# Allegro board S071AA-0413-20260427.brd (continued)
## Routing (per net, layer and track width the routed paths; a pad name or vN(x,y) marks a point on that pad's centre or on a via; arc(x,y) is an arc through that point) (continued)
; DPS3.A15 125.8,13.97 ; D431.B17 16.58,381 ; D431.B17 15.51,382.07 ; D431.B17 14.44,381 ; D431.B17 15.51,379.93 ; 266.97,52.27 D107.A13 ; D107.A13 268.04,53.34 ; D107.A13 265.9,53.34 ; D107.A13 266.97,54.41 ; 114.57,92.91 D121.A11 ; D121.A11 115.64,93.98 ; D121.A11 114.57,95.05 ; D121.A11 113.5,93.98 ; 246.65,329.13 D109.B13 ; D109.B13 247.72,330.2 ; D109.B13 246.65,331.27 ; D109.B13 245.58,330.2 ; 128.74,370.84 D227.B1 ; D227.B1 129.81,371.91 ; D227.B1 130.88,370.84 ; D227.B1 129.81,369.77 ; 52.24,149.1 KS3.6 ; KS3.6 53.36,150.22 ; KS3.6 53.36,147.98 ; KS3.6 54.47,149.1 ; 182.08,78.74 D102.B9 ; D102.B9 184.22,78.74 ; D102.B9 183.15,77.67 ; D102.B9 183.15,79.81 ; D107.B10 260.42,60.96 ; D107.B10 258.28,60.96 ; D107.B10 259.35,62.03 ; D107.B10 259.35,59.89 ; 101.87,397.71 D428.B12 ; D428.B12 101.87,399.85 ; D428.B12 100.8,398.78 ; D428.B12 102.94,398.78 ; D105.A1 236.49,95.05 ; D105.A1 236.49,92.91 ; D105.A1 237.56,93.98 ; D105.A1 235.42,93.98 ; 263.36,35.56 D108.A12 ; D108.A12 264.43,34.49 ; D108.A12 264.43,36.63 ; D108.A12 265.5,35.56 ; 18.05,392.63 D232.A16 ; D232.A16 18.05,394.77 ; D232.A16 19.12,393.7 ; D232.A16 16.98,393.7 ; 166.84,330.2 D113.B15 ; D113.B15 168.98,330.2 ; D113.B15 167.91,331.27 ; D113.B15 167.91,329.13 ; D117.B7 31.82,99.06 ; D117.B7 29.68,99.06 ; D117.B7 30.75,100.13 ; D117.B7 30.75,97.99 ; UHC230.G4_1 19.99,355.29 ; UHC230.G4_1 19.18,354.48 ; UHC230.G4_1 19.18,356.1 ; UHC230.G4_1 18.37,355.29 ; D432.A15 21.66,406.4 ; D432.A15 20.59,407.47 ; D432.A15 20.59,405.33 ; D432.A15 19.52,406.4 ; 258.28,81.28 D106.B10 ; D106.B10 260.42,81.28 ; D106.B10 259.35,82.35 ; D106.B10 259.35,80.21 ; 109.49,374.85 D227.A9 ; D227.A9 108.42,375.92 ; D227.A9 109.49,376.99 ; D227.A9 110.56,375.92 ; 179.54,81.28 D102.B8 ; D102.B8 180.61,80.21 ; D102.B8 180.61,82.35 ; D102.B8 181.68,81.28 ; D117.B5 26.74,99.06 ; D117.B5 25.67,97.99 ; D117.B5 24.6,99.06 ; D117.B5 25.67,100.13 ; D116.B16 165.37,389.69 ; D116.B16 166.44,388.62 ; D116.B16 164.3,388.62 ; D116.B16 165.37,387.55 ; 22.06,373.38 D231.A14 ; D231.A14 23.13,374.45 ; D231.A14 24.2,373.38 ; D231.A14 23.13,372.31 ; 90.64,332.74 CSDPS225.B16 ; CSDPS225.B16 91.71,333.81 ; CSDPS225.B16 92.78,332.74 ; CSDPS225.B16 91.71,331.67 ; D110.B7 261.89,351.59 ; D110.B7 261.89,349.45 ; D110.B7 260.82,350.52 ; D110.B7 262.96,350.52 ; 103.34,381 D427.B11 ; D427.B11 104.41,379.93 ; D427.B11 104.41,382.07 ; D427.B11 105.48,381 ; 237.96,35.56 D108.A2 ; D108.A2 239.03,36.63 ; D108.A2 239.03,34.49 ; D108.A2 240.1,35.56 ; 29.68,73.66 D118.A7 ; D118.A7 30.75,72.59 ; D118.A7 30.75,74.73 ; D118.A7 31.82,73.66 ; 269.51,346.91 D110.B4 ; D110.B4 268.44,347.98 ; D110.B4 269.51,349.05 ; D110.B4 270.58,347.98 ; D121.A6 101.87,97.59 ; D121.A6 101.87,95.45 ; D121.A6 100.8,96.52 ; D121.A6 102.94,96.52 ; CSDPS429.B14 24.2,342.9 ; CSDPS429.B14 23.13,343.97 ; CSDPS429.B14 23.13,341.83 ; CSDPS429.B14 22.06,342.9 ; D116.B10 181.68,388.62 ; D116.B10 179.54,388.62 ; D116.B10 180.61,387.55 ; D116.B10 180.61,389.69 ; CSDPS426.C7 114.57,361.75 ; CSDPS426.C7 115.64,360.68 ; CSDPS426.C7 113.5,360.68 ; CSDPS426.C7 114.57,359.61 ; D101.A2 166.44,96.52 ; D101.A2 165.37,95.45 ; D101.A2 165.37,97.59 ; D101.A2 164.3,96.52 ; UHC230.G4_11 19.99,348.29 ; UHC230.G4_11 19.18,349.1 ; UHC230.G4_11 18.37,348.29 ; UHC230.G4_11 19.18,347.48 ; D428.B7 114.57,402.39 ; D428.B7 115.64,401.32 ; D428.B7 114.57,400.25 ; D428.B7 113.5,401.32 ; 179.54,368.3 D115.B10 ; D115.B10 180.61,369.37 ; D115.B10 181.68,368.3 ; D115.B10 180.61,367.23 ; D227.B17 89.17,371.91 ; D227.B17 89.17,369.77 ; D227.B17 88.1,370.84 ; D227.B17 90.24,370.84 ; 188.23,77.67 D102.B11 ; D102.B11 187.16,78.74 ; D102.B11 188.23,79.81 ; D102.B11 189.3,78.74 ; D107.B15 273.12,58.42 ; D107.B15 270.98,58.42 ; D107.B15 272.05,57.35 ; D107.B15 272.05,59.49 ; 250.66,330.2 D109.B11 ; D109.B11 251.73,329.13 ; D109.B11 252.8,330.2 ; D109.B11 251.73,331.27 ; 193.31,92.91 D101.A13 ; D101.A13 192.24,93.98 ; D101.A13 193.31,95.05 ; D101.A13 194.38,93.98 ; 266.97,354.53 D110.A5 ; D110.A5 266.97,356.67 ; D110.A5 265.9,355.6 ; D110.A5 268.04,355.6 ; 28.21,34.49 D120.A6 ; D120.A6 28.21,36.63 ; D120.A6 29.28,35.56 ; D120.A6 27.14,35.56 ; D227.A15 95.32,375.92 ; D227.A15 93.18,375.92 ; D227.A15 94.25,374.85 ; D227.A15 94.25,376.99 ; 197.32,93.98 D101.A15 ; D101.A15 199.46,93.98 ; D101.A15 198.39,95.05 ; D101.A15 198.39,92.91 ; 124.73,97.99 D121.B15 ; D121.B15 123.66,99.06 ; D121.B15 125.8,99.06 ; D121.B15 124.73,100.13 ; D228.B10 106.95,389.69 ; D228.B10 106.95,387.55 ; D228.B10 105.88,388.62 ; D228.B10 108.02,388.62 ; D110.B16 239.03,349.05 ; D110.B16 240.1,347.98 ; D110.B16 237.96,347.98 ; D110.B16 239.03,346.91 ; DPS1.B11 261.89,17.58 ; DPS1.B11 260.82,16.51 ; DPS1.B11 261.89,15.44 ; DPS1.B11 262.96,16.51 ; D227.A7 114.57,376.99 ; D227.A7 115.64,375.92 ; D227.A7 113.5,375.92 ; D227.A7 114.57,374.85 ; 202.4,391.16 D116.B1 ; D116.B1 204.54,391.16 ; D116.B1 203.47,392.23 ; D116.B1 203.47,390.09 ; UHC430.G1_6 19.18,362.76 ; UHC430.G1_6 18.37,361.95 ; UHC430.G1_6 19.18,361.14 ; UHC430.G1_6 19.99,361.95 ; 88.1,93.98 D121.A1 ; D121.A1 89.17,92.91 ; D121.A1 89.17,95.05 ; D121.A1 90.24,93.98 ; D107.B16 274.59,62.03 ; D107.B16 273.52,60.96 ; D107.B16 275.66,60.96 ; D107.B16 274.59,59.89 ; D107.A1 236.49,54.41 ; D107.A1 235.42,53.34 ; D107.A1 237.56,53.34 ; D107.A1 236.49,52.27 ; 48.53,382.47 D431.A4 ; D431.A4 48.53,384.61 ; D431.A4 47.46,383.54 ; D431.A4 49.6,383.54 ; 235.42,78.74 D106.B1 ; D106.B1 236.49,77.67 ; D106.B1 237.56,78.74 ; D106.B1 236.49,79.81 ; 14.92,363.7 UHC430.G1_5 ; UHC430.G1_5 15.73,362.89 ; UHC430.G1_5 16.54,363.7 ; UHC430.G1_5 15.73,364.51 ; 254.27,346.91 D110.B10 ; D110.B10 255.34,347.98 ; D110.B10 254.27,349.05 ; D110.B10 253.2,347.98 ; D102.B12 191.84,81.28 ; D102.B12 189.7,81.28 ; D102.B12 190.77,82.35 ; D102.B12 190.77,80.21 ; 119.65,72.59 D122.A13 ; D122.A13 120.72,73.66 ; D122.A13 119.65,74.73 ; D122.A13 118.58,73.66 ; 104.41,52.27 D123.A7 ; D123.A7 105.48,53.34 ; D123.A7 103.34,53.34 ; D123.A7 104.41,54.41 ; 35.83,369.77 D231.B9 ; D231.B9 34.76,370.84 ; D231.B9 36.9,370.84 ; D231.B9 35.83,371.91 ; 273.52,393.7 D112.A2 ; D112.A2 274.59,392.63 ; D112.A2 275.66,393.7 ; D112.A2 274.59,394.77 ; D231.B12 29.28,368.3 ; D231.B12 28.21,369.37 ; D231.B12 27.14,368.3 ; D231.B12 28.21,367.23 ; D112.A16 240.1,393.7 ; D112.A16 237.96,393.7 ; D112.A16 239.03,394.77 ; D112.A16 239.03,392.63 ; 198.39,77.67 D102.B15 ; D102.B15 199.46,78.74 ; D102.B15 198.39,79.81 ; D102.B15 197.32,78.74 ; SB15.1 31.4,416.93 30.75,416.28 DPS8.A11 ; 42.38,388.62 D232.B6 ; D232.B6 44.52,388.62 ; D232.B6 43.45,389.69 ; D232.B6 43.45,387.55 ; D110.B2 275.66,347.98 ; D110.B2 273.52,347.98 ; D110.B2 274.59,349.05 ; D110.B2 274.59,346.91 ; 45.99,329.13 CSDPS229.C5 ; CSDPS229.C5 47.06,330.2 ; CSDPS229.C5 45.99,331.27 ; CSDPS229.C5 44.92,330.2 ; 192.24,78.74 D102.B13 ; D102.B13 193.31,79.81 ; D102.B13 194.38,78.74 ; D102.B13 193.31,77.67 ; D116.A16 165.37,394.77 ; D116.A16 165.37,392.63 ; D116.A16 166.44,393.7 ; D116.A16 164.3,393.7 ; CSDPS429.C3 51.07,341.43 ; CSDPS429.C3 52.14,340.36 ; CSDPS429.C3 50,340.36 ; CSDPS429.C3 51.07,339.29 ; 185.69,387.55 D116.B8 ; D116.B8 184.62,388.62 ; D116.B8 185.69,389.69 ; D116.B8 186.76,388.62 ; D102.A2 166.44,76.2 ; D102.A2 165.37,77.27 ; D102.A2 165.37,75.13 ; D102.A2 164.3,76.2 ; D113.A12 175.53,333.81 ; D113.A12 176.6,332.74 ; D113.A12 174.46,332.74 ; D113.A12 175.53,331.67 ; D431.B8 39.44,378.46 ; D431.B8 38.37,379.53 ; D431.B8 37.3,378.46 ; D431.B8 38.37,377.39 ; 50,93.98 D117.A15 ; D117.A15 51.07,92.91 ; D117.A15 51.07,95.05 ; D117.A15 52.14,93.98 ; 198.39,369.77 D115.B3 ; D115.B3 199.46,370.84 ; D115.B3 198.39,371.91 ; D115.B3 197.32,370.84 ; 14.58,354.48 UHC230.G4_3 ; UHC230.G4_3 15.39,355.29 ; UHC230.G4_3 14.58,356.1 ; UHC230.G4_3 13.77,355.29 ; 200.93,331.67 D113.A2 ; D113.A2 202,332.74 ; D113.A2 199.86,332.74 ; D113.A2 200.93,333.81 ; 104.41,374.85 D227.A11 ; D227.A11 103.34,375.92 ; D227.A11 104.41,376.99 ; D227.A11 105.48,375.92 ; D110.B9 256.81,351.59 ; D110.B9 256.81,349.45 ; D110.B9 257.88,350.52 ; D110.B9 255.74,350.52 ; D227.A10 108.02,373.38 ; D227.A10 106.95,372.31 ; D227.A10 105.88,373.38 ; D227.A10 106.95,374.45 ; D101.A3 167.91,95.05 ; D101.A3 166.84,93.98 ; D101.A3 167.91,92.91 ; D101.A3 168.98,93.98 ; 47.46,378.46 D431.B4 ; D431.B4 48.53,379.53 ; D431.B4 48.53,377.39 ; D431.B4 49.6,378.46 ; D428.B14 97.86,398.78 ; D428.B14 96.79,397.71 ; D428.B14 96.79,399.85 ; D428.B14 95.72,398.78 ; UHC230.G3_2 47.49,355.29 ; UHC230.G3_2 46.68,354.48 ; UHC230.G3_2 45.87,355.29 ; UHC230.G3_2 46.68,356.1 ; 187.16,391.16 D116.B7 ; D116.B7 188.23,392.23 ; D116.B7 188.23,390.09 ; D116.B7 189.3,391.16 ; D432.B4 49.6,398.78 ; D432.B4 47.46,398.78 ; D432.B4 48.53,397.71 ; D432.B4 48.53,399.85 ; D105.A13 268.04,93.98 ; D105.A13 266.97,95.05 ; D105.A13 265.9,93.98 ; D105.A13 266.97,92.91 ; D111.A8 259.35,374.45 ; D111.A8 259.35,372.31 ; D111.A8 258.28,373.38 ; D111.A8 260.42,373.38 ; 105.88,101.6 D121.B8 ; D121.B8 108.02,101.6 ; D121.B8 106.95,100.53 ; D121.B8 106.95,102.67 ; 106.95,34.49 D124.A8 ; D124.A8 106.95,36.63 ; D124.A8 105.88,35.56 ; D124.A8 108.02,35.56 ; D119.A4 23.13,56.95 ; D119.A4 23.13,54.81 ; D119.A4 22.06,55.88 ; D119.A4 24.2,55.88 ; 35.83,37.03 D120.B9 ; D120.B9 35.83,39.17 ; D120.B9 34.76,38.1 ; D120.B9 36.9,38.1 ; D117.A11 41.98,93.98 ; D117.A11 40.91,95.05 ; D117.A11 39.84,93.98 ; D117.A11 40.91,92.91 ; 110.96,373.38 D227.A8 ; D227.A8 112.03,372.31 ; D227.A8 113.1,373.38 ; D227.A8 112.03,374.45 ; D118.A5 26.74,73.66 ; D118.A5 25.67,74.73 ; D118.A5 25.67,72.59 ; D118.A5 24.6,73.66 ; D427.B16 91.71,379.53 ; D427.B16 90.64,378.46 ; D427.B16 91.71,377.39 ; D427.B16 92.78,378.46 ; 38.37,95.45 D117.A10 ; D117.A10 38.37,97.59 ; D117.A10 37.3,96.52 ; D117.A10 39.44,96.52 ; 124.73,329.13 CSDPS225.C3 ; CSDPS225.C3 125.8,330.2 ; CSDPS225.C3 123.66,330.2 ; CSDPS225.C3 124.73,331.27 ; UHC230.G3_4 47.83,354.35 ; UHC230.G3_4 47.02,353.54 ; UHC230.G3_4 48.64,353.54 ; UHC230.G3_4 47.83,352.73 ; D104.B2 165.37,41.71 ; D104.B2 166.44,40.64 ; D104.B2 165.37,39.57 ; D104.B2 164.3,40.64 ; 32.22,76.2 D118.A8 ; D118.A8 33.29,75.13 ; D118.A8 33.29,77.27 ; D118.A8 34.36,76.2 ; DPS1.B05 246.65,17.58 ; DPS1.B05 246.65,15.44 ; DPS1.B05 245.58,16.51 ; DPS1.B05 247.72,16.51 ; D111.A14 244.11,374.45 ; D111.A14 245.18,373.38 ; D111.A14 243.04,373.38 ; D111.A14 244.11,372.31 ; D427.A12 101.87,384.61 ; D427.A12 100.8,383.54 ; D427.A12 101.87,382.47 ; D427.A12 102.94,383.54 ; 52.54,332.74 CSDPS229.B2 ; CSDPS229.B2 53.61,333.81 ; CSDPS229.B2 53.61,331.67 ; CSDPS229.B2 54.68,332.74 ; D105.A7 252.8,93.98 ; D105.A7 250.66,93.98 ; D105.A7 251.73,95.05 ; D105.A7 251.73,92.91 ; 56.15,379.93 D431.B1 ; D431.B1 55.08,381 ; D431.B1 56.15,382.07 ; D431.B1 57.22,381 ; 34.76,53.34 D119.A9 ; D119.A9 35.83,54.41 ; D119.A9 35.83,52.27 ; D119.A9 36.9,53.34 ; 274.59,387.55 D112.B2 ; D112.B2 275.66,388.62 ; D112.B2 274.59,389.69 ; D112.B2 273.52,388.62 ; D431.A9 36.9,386.08 ; D431.A9 35.83,385.01 ; D431.A9 35.83,387.15 ; D431.A9 34.76,386.08 ; 48.98,361.14 UHC430.G2_6 ; UHC430.G2_6 48.98,362.76 ; UHC430.G2_6 48.17,361.95 ; UHC430.G2_6 49.79,361.95 ; D101.B15 198.39,100.13 ; D101.B15 199.46,99.06 ; D101.B15 198.39,97.99 ; D101.B15 197.32,99.06 ; 185.69,34.49 D104.A10 ; D104.A10 186.76,35.56 ; D104.A10 185.69,36.63 ; D104.A10 184.62,35.56 ; 258.28,393.7 D112.A8 ; D112.A8 259.35,394.77 ; D112.A8 260.42,393.7 ; D112.A8 259.35,392.63 ; D228.B3 124.73,392.23 ; D228.B3 125.8,391.16 ; D228.B3 124.73,390.09 ; D228.B3 123.66,391.16 ; 114.57,72.59 D122.A11 ; D122.A11 115.64,73.66 ; D122.A11 113.5,73.66 ; D122.A11 114.57,74.73 ; D101.B3 167.91,100.13 ; D101.B3 166.84,99.06 ; D101.B3 168.98,99.06 ; D101.B3 167.91,97.99 ; 34.76,375.92 D231.A9 ; D231.A9 35.83,376.99 ; D231.A9 36.9,375.92 ; D231.A9 35.83,374.85 ; 178.07,31.95 D104.A7 ; D104.A7 178.07,34.09 ; D104.A7 179.14,33.02 ; D104.A7 177,33.02 ; 202.4,396.24 D116.A1 ; D116.A1 204.54,396.24 ; D116.A1 203.47,397.31 ; D116.A1 203.47,395.17 ; CSDPS226.C3 125.8,350.52 ; CSDPS226.C3 124.73,351.59 ; CSDPS226.C3 123.66,350.52 ; CSDPS226.C3 124.73,349.45 ; 188.23,57.35 D103.B11 ; D103.B11 188.23,59.49 ; D103.B11 189.3,58.42 ; D103.B11 187.16,58.42 ; D431.B2 54.68,378.46 ; D431.B2 52.54,378.46 ; D431.B2 53.61,379.53 ; D431.B2 53.61,377.39 ; 255.74,58.42 D107.B9 ; D107.B9 256.81,57.35 ; D107.B9 257.88,58.42 ; D107.B9 256.81,59.49 ; 34.76,396.24 D232.A9 ; D232.A9 36.9,396.24 ; D232.A9 35.83,395.17 ; D232.A9 35.83,397.31 ; D432.A7 41.98,406.4 ; D432.A7 40.91,405.33 ; D432.A7 40.91,407.47 ; D432.A7 39.84,406.4 ; D115.B5 193.31,371.91 ; D115.B5 193.31,369.77 ; D115.B5 194.38,370.84 ; D115.B5 192.24,370.84 ; D120.A1 16.58,33.02 ; D120.A1 15.51,31.95 ; D120.A1 15.51,34.09 ; D120.A1 14.44,33.02 ; D112.B4 270.58,388.62 ; D112.B4 269.51,389.69 ; D112.B4 268.44,388.62 ; D112.B4 269.51,387.55 ; CSDPS229.B6 44.52,332.74 ; CSDPS229.B6 42.38,332.74 ; CSDPS229.B6 43.45,333.81 ; CSDPS229.B6 43.45,331.67 ; D108.B3 241.57,39.17 ; D108.B3 241.57,37.03 ; D108.B3 242.64,38.1 ; D108.B3 240.5,38.1 ; 117.11,341.83 CSDPS425.B6 ; CSDPS425.B6 117.11,343.97 ; CSDPS425.B6 118.18,342.9 ; CSDPS425.B6 116.04,342.9 ; 88.1,406.4 D428.A17 ; D428.A17 90.24,406.4 ; D428.A17 89.17,407.47 ; D428.A17 89.17,405.33 ; 51.07,379.93 D431.B3 ; D431.B3 52.14,381 ; D431.B3 51.07,382.07 ; D431.B3 50,381 ; 101.87,392.63 D228.A12 ; D228.A12 100.8,393.7 ; D228.A12 101.87,394.77 ; D228.A12 102.94,393.7 ; 274.59,331.67 D109.A2 ; D109.A2 275.66,332.74 ; D109.A2 274.59,333.81 ; D109.A2 273.52,332.74 ; 27.14,378.46 D431.B12 ; D431.B12 28.21,377.39 ; D431.B12 28.21,379.53 ; D431.B12 29.28,378.46 ; D427.B1 129.81,382.07 ; D427.B1 129.81,379.93 ; D427.B1 130.88,381 ; D427.B1 128.74,381 ; 170.45,54.81 D103.A4 ; D103.A4 171.52,55.88 ; D103.A4 170.45,56.95 ; D103.A4 169.38,55.88 ; D232.A17 16.58,396.24 ; D232.A17 15.51,397.31 ; D232.A17 15.51,395.17 ; D232.A17 14.44,396.24 ; 127.27,362.15 CSDPS426.B2 ; CSDPS426.B2 126.2,363.22 ; CSDPS426.B2 127.27,364.29 ; CSDPS426.B2 128.34,363.22 ; 249.19,346.91 D110.B12 ; D110.B12 248.12,347.98 ; D110.B12 249.19,349.05 ; D110.B12 250.26,347.98 ; 50,386.08 D431.A3 ; D431.A3 52.14,386.08 ; D431.A3 51.07,387.15 ; D431.A3 51.07,385.01 ; 39.84,99.06 D117.B11 ; D117.B11 40.91,100.13 ; D117.B11 41.98,99.06 ; D117.B11 40.91,97.99 ; 15.51,405.33 D432.A17 ; D432.A17 16.58,406.4 ; D432.A17 14.44,406.4 ; D432.A17 15.51,407.47 ; 52.54,398.78 D432.B2 ; D432.B2 53.61,399.85 ; D432.B2 53.61,397.71 ; D432.B2 54.68,398.78 ; 254.27,351.99 D110.A10 ; D110.A10 254.27,354.13 ; D110.A10 255.34,353.06 ; D110.A10 253.2,353.06 ; D123.B3 95.32,58.42 ; D123.B3 93.18,58.42 ; D123.B3 94.25,57.35 ; D123.B3 94.25,59.49 ; D232.B3 51.07,392.23 ; D232.B3 52.14,391.16 ; D232.B3 50,391.16 ; D232.B3 51.07,390.09 ; 274.59,39.57 D108.B16 ; D108.B16 274.59,41.71 ; D108.B16 273.52,40.64 ; D108.B16 275.66,40.64 ; D228.A10 108.02,393.7 ; D228.A10 105.88,393.7 ; D228.A10 106.95,394.77 ; D228.A10 106.95,392.63 ; D102.A8 181.68,76.2 ; D102.A8 180.61,77.27 ; D102.A8 179.54,76.2 ; D102.A8 180.61,75.13 ; 171.92,38.1 D104.B5 ; D104.B5 174.06,38.1 ; D104.B5 172.99,39.17 ; D104.B5 172.99,37.03 ; D122.A10 113.1,76.2 ; D122.A10 110.96,76.2 ; D122.A10 112.03,77.27 ; D122.A10 112.03,75.13 ; 200.93,100.53 D101.B16 ; D101.B16 200.93,102.67 ; D101.B16 202,101.6 ; D101.B16 199.86,101.6 ; D123.A16 128.34,55.88 ; D123.A16 127.27,54.81 ; D123.A16 127.27,56.95 ; D123.A16 126.2,55.88 ; 260.82,73.66 D106.A11 ; D106.A11 262.96,73.66 ; D106.A11 261.89,72.59 ; D106.A11 261.89,74.73 ; D227.B9 109.49,371.91 ; D227.B9 108.42,370.84 ; D227.B9 109.49,369.77 ; D227.B9 110.56,370.84 ; 266.97,374.85 D111.A5 ; D111.A5 266.97,376.99 ; D111.A5 268.04,375.92 ; D111.A5 265.9,375.92 ; D119.B5 25.67,59.49 ; D119.B5 24.6,58.42 ; D119.B5 25.67,57.35 ; D119.B5 26.74,58.42 ; 202.4,330.2 D113.B1 ; D113.B1 203.47,329.13 ; D113.B1 204.54,330.2 ; D113.B1 203.47,331.27 ; 22.06,60.96 D119.B4 ; D119.B4 23.13,59.89 ; D119.B4 24.2,60.96 ; D119.B4 23.13,62.03 ; 235.42,13.97 DPS1.A01 ; DPS1.A01 236.49,12.9 ; DPS1.A01 236.49,15.04 ; DPS1.A01 237.56,13.97 ; D227.B2 128.34,368.3 ; D227.B2 126.2,368.3 ; D227.B2 127.27,369.37 ; D227.B2 127.27,367.23 ; DPS3.B11 114.57,17.58 ; DPS3.B11 113.5,16.51 ; DPS3.B11 114.57,15.44 ; DPS3.B11 115.64,16.51 ; D101.B14 196.92,101.6 ; D101.B14 194.78,101.6 ; D101.B14 195.85,102.67 ; D101.B14 195.85,100.53 ; D112.A11 252.8,396.24 ; D112.A11 251.73,397.31 ; D112.A11 250.66,396.24 ; D112.A11 251.73,395.17 ; 266.97,334.21 D109.A5 ; D109.A5 266.97,336.35 ; D109.A5 268.04,335.28 ; D109.A5 265.9,335.28 ; 53.61,95.45 D117.A16 ; D117.A16 53.61,97.59 ; D117.A16 52.54,96.52 ; D117.A16 54.68,96.52 ; D122.B13 119.65,79.81 ; D122.B13 120.72,78.74 ; D122.B13 119.65,77.67 ; D122.B13 118.58,78.74 ; D428.A11 105.48,406.4 ; D428.A11 104.41,405.33 ; D428.A11 104.41,407.47 ; D428.A11 103.34,406.4 ; 43.57,365.45 UHC430.G2_3 ; UHC430.G2_3 45.19,365.45 ; UHC430.G2_3 44.38,366.26 ; UHC430.G2_3 44.38,364.64 ; D123.B7 105.48,58.42 ; D123.B7 104.41,59.49 ; D123.B7 103.34,58.42 ; D123.B7 104.41,57.35 ; D104.A8 181.68,35.56 ; D104.A8 180.61,36.63 ; D104.A8 179.54,35.56 ; D104.A8 180.61,34.49 ; 51.07,57.35 D119.B15 ; D119.B15 50,58.42 ; D119.B15 51.07,59.49 ; D119.B15 52.14,58.42 ; D119.B11 41.98,58.42 ; D119.B11 40.91,57.35 ; D119.B11 39.84,58.42 ; D119.B11 40.91,59.49 ; 170.45,367.23 D115.B14 ; D115.B14 170.45,369.37 ; D115.B14 169.38,368.3 ; D115.B14 171.52,368.3 ; DPS3.C01 89.17,20.12 ; DPS3.C01 88.1,19.05 ; DPS3.C01 90.24,19.05 ; DPS3.C01 89.17,17.98 ; 239.03,372.31 D111.A16 ; D111.A16 240.1,373.38 ; D111.A16 237.96,373.38 ; D111.A16 239.03,374.45 ; 167.91,72.59 D102.A3 ; D102.A3 168.98,73.66 ; D102.A3 166.84,73.66 ; D102.A3 167.91,74.73 ; D115.A8 185.69,374.45 ; D115.A8 185.69,372.31 ; D115.A8 186.76,373.38 ; D115.A8 184.62,373.38 ; D124.B1 90.24,38.1 ; D124.B1 89.17,37.03 ; D124.B1 89.17,39.17 ; D124.B1 88.1,38.1 ; D123.B16 128.34,60.96 ; D123.B16 127.27,59.89 ; D123.B16 127.27,62.03 ; D123.B16 126.2,60.96 ; 30.75,414.22 DPS8.A11 ; DPS8.A11 31.82,415.29 ; DPS8.A11 29.68,415.29 ; 250.66,355.6 D110.A11 ; D110.A11 251.73,354.53 ; D110.A11 252.8,355.6 ; D110.A11 251.73,356.67 ; 117.11,402.79 D428.A6 ; D428.A6 118.18,403.86 ; D428.A6 116.04,403.86 ; D428.A6 117.11,404.93 ; 122.19,372.31 D227.A4 ; D227.A4 121.12,373.38 ; D227.A4 123.26,373.38 ; D227.A4 122.19,374.45 ; 117.11,331.67 CSDPS225.B6 ; CSDPS225.B6 118.18,332.74 ; CSDPS225.B6 116.04,332.74 ; CSDPS225.B6 117.11,333.81 ; CSDPS426.C11 105.48,360.68 ; CSDPS426.C11 104.41,361.75 ; CSDPS426.C11 103.34,360.68 ; CSDPS426.C11 104.41,359.61 ; D111.A3 273.12,375.92 ; D111.A3 272.05,376.99 ; D111.A3 272.05,374.85 ; D111.A3 270.98,375.92 ; D116.A3 199.46,396.24 ; D116.A3 197.32,396.24 ; D116.A3 198.39,395.17 ; D116.A3 198.39,397.31
  L02_DGND w0.203: 15.51,32.21 D120.A1 ; D120.A1 15.51,33.83 ; D120.A1 14.7,33.02 ; D120.A1 16.32,33.02 ; D102.B6 176.34,81.28 ; D102.B6 175.53,80.47 ; D102.B6 174.72,81.28 ; D102.B6 175.53,82.09 ; 96.79,34.75 D124.A4 ; D124.A4 96.79,36.37 ; D124.A4 97.6,35.56 ; D124.A4 95.98,35.56 ; 106.14,373.38 D227.A10 ; D227.A10 106.95,372.57 ; D227.A10 106.95,374.19 ; D227.A10 107.76,373.38 ; 122.19,367.49 D227.B4 ; D227.B4 123,368.3 ; D227.B4 121.38,368.3 ; D227.B4 122.19,369.11 ; CSDPS229.B2 54.42,332.74 ; CSDPS229.B2 52.8,332.74 ; CSDPS229.B2 53.61,333.55 ; CSDPS229.B2 53.61,331.93 ; 113.76,406.4 D428.A7 ; D428.A7 114.57,405.59 ; D428.A7 115.38,406.4 ; D428.A7 114.57,407.21 ; CSDPS425.C5 119.65,341.17 ; CSDPS425.C5 120.46,340.36 ; CSDPS425.C5 119.65,339.55 ; CSDPS425.C5 118.84,340.36 ; D102.A1 163.64,73.66 ; D102.A1 162.83,74.47 ; D102.A1 162.83,72.85 ; D102.A1 162.02,73.66 ; 183.15,370.03 D115.B9 ; D115.B9 183.15,371.65 ; D115.B9 183.96,370.84 ; D115.B9 182.34,370.84 ; D431.A8 39.18,383.54 ; D431.A8 37.56,383.54 ; D431.A8 38.37,384.35 ; D431.A8 38.37,382.73 ; 25.67,375.11 D231.A13 ; D231.A13 26.48,375.92 ; D231.A13 24.86,375.92 ; D231.A13 25.67,376.73 ; D111.B12 249.19,369.11 ; D111.B12 250,368.3 ; D111.B12 249.19,367.49 ; D111.B12 248.38,368.3 ; D105.B12 265.24,101.6 ; D105.B12 263.62,101.6 ; D105.B12 264.43,102.41 ; D105.B12 264.43,100.79 ; 25.67,385.27 D431.A13 ; D431.A13 24.86,386.08 ; D431.A13 26.48,386.08 ; D431.A13 25.67,386.89 ; D121.B10 112.84,101.6 ; D121.B10 112.03,102.41 ; D121.B10 112.03,100.79 ; D121.B10 111.22,101.6 ; 13.77,355.29 UHC230.G4_3 ; UHC230.G4_3 14.58,356.1 ; UHC230.G4_3 15.39,355.29 ; UHC230.G4_3 14.58,354.48 ; DPS8.B05 46.8,412.75 ; DPS8.B05 45.99,411.94 ; DPS8.B05 45.18,412.75 ; DPS8.B05 45.99,413.56 ; DPS3.A11 114.57,14.78 ; DPS3.A11 114.57,13.16 ; DPS3.A11 115.38,13.97 ; DPS3.A11 113.76,13.97 ; D124.B1 89.98,38.1 ; D124.B1 89.17,38.91 ; D124.B1 88.36,38.1 ; D124.B1 89.17,37.29 ; 91.71,55.07 D123.A2 ; D123.A2 90.9,55.88 ; D123.A2 91.71,56.69 ; D123.A2 92.52,55.88 ; CSDPS425.B12 102.68,342.9 ; CSDPS425.B12 101.87,343.71 ; CSDPS425.B12 101.87,342.09 ; CSDPS425.B12 101.06,342.9 ; 118.84,58.42 D123.B13 ; D123.B13 119.65,59.23 ; D123.B13 120.46,58.42 ; D123.B13 119.65,57.61 ; D107.B5 246.65,59.23 ; D107.B5 245.84,58.42 ; D107.B5 247.46,58.42 ; D107.B5 246.65,57.61 ; 124.73,375.11 D227.A3 ; D227.A3 123.92,375.92 ; D227.A3 125.54,375.92 ; D227.A3 124.73,376.73 ; D112.B16 239.84,388.62 ; D112.B16 238.22,388.62 ; D112.B16 239.03,387.81 ; D112.B16 239.03,389.43 ; 24.86,401.32 D432.B13 ; D432.B13 25.67,402.13 ; D432.B13 25.67,400.51 ; D432.B13 26.48,401.32 ; 18.05,387.81 D232.B16 ; D232.B16 18.86,388.62 ; D232.B16 17.24,388.62 ; D232.B16 18.05,389.43 ; 164.56,368.3 D115.B16 ; D115.B16 165.37,369.11 ; D115.B16 166.18,368.3 ; D115.B16 165.37,367.49 ; D428.A17 89.98,406.4 ; D428.A17 88.36,406.4 ; D428.A17 89.17,405.59 ; D428.A17 89.17,407.21 ; 197.58,58.42 D103.B15 ; D103.B15 198.39,57.61 ; D103.B15 199.2,58.42 ; D103.B15 198.39,59.23 ; D106.A16 274.59,77.01 ; D106.A16 275.4,76.2 ; D106.A16 274.59,75.39 ; D106.A16 273.78,76.2 ; D432.A6 44.26,403.86 ; D432.A6 42.64,403.86 ; D432.A6 43.45,403.05 ; D432.A6 43.45,404.67 ; UHC230.G3_5 46.34,353.54 ; UHC230.G3_5 45.53,354.35 ; UHC230.G3_5 44.72,353.54 ; UHC230.G3_5 45.53,352.73 ; 33.29,392.89 D232.A10 ; D232.A10 32.48,393.7 ; D232.A10 33.29,394.51 ; D232.A10 34.1,393.7 ; 50.26,330.2 CSDPS229.C3 ; CSDPS229.C3 51.07,329.39 ; CSDPS229.C3 51.07,331.01 ; CSDPS229.C3 51.88,330.2 ; D113.B8 185.69,328.47 ; D113.B8 186.5,327.66 ; D113.B8 184.88,327.66 ; D113.B8 185.69,326.85 ; 101.87,362.41 CSDPS426.B12 ; CSDPS426.B12 101.06,363.22 ; CSDPS426.B12 101.87,364.03 ; CSDPS426.B12 102.68,363.22 ; 271.24,38.1 D108.B15 ; D108.B15 272.86,38.1 ; D108.B15 272.05,37.29 ; D108.B15 272.05,38.91 ; D228.A5 119.65,397.05 ; D228.A5 120.46,396.24 ; D228.A5 119.65,395.43 ; D228.A5 118.84,396.24 ; D427.A11 105.22,386.08 ; D427.A11 104.41,385.27 ; D427.A11 103.6,386.08 ; D427.A11 104.41,386.89 ; 170.45,60.15 D103.B4 ; D103.B4 170.45,61.77 ; D103.B4 171.26,60.96 ; D103.B4 169.64,60.96 ; D122.B1 89.98,78.74 ; D122.B1 88.36,78.74 ; D122.B1 89.17,79.55 ; D122.B1 89.17,77.93 ; 272.05,18.24 DPS1.C15 ; DPS1.C15 272.05,19.86 ; DPS1.C15 271.24,19.05 ; DPS1.C15 272.86,19.05 ; 17.22,360.2 UHC430.G1_9 ; UHC430.G1_9 18.03,359.39 ; UHC430.G1_9 18.03,361.01 ; UHC430.G1_9 18.84,360.2 ; 172.18,335.28 D113.A13 ; D113.A13 173.8,335.28 ; D113.A13 172.99,336.09 ; D113.A13 172.99,334.47 ; 203.47,349.71 D114.B1 ; D114.B1 204.28,350.52 ; D114.B1 202.66,350.52 ; D114.B1 203.47,351.33 ; 177.26,93.98 D101.A7 ; D101.A7 178.07,93.17 ; D101.A7 178.07,94.79 ; D101.A7 178.88,93.98 ; 106.95,367.49 D227.B10 ; D227.B10 107.76,368.3 ; D227.B10 106.14,368.3 ; D227.B10 106.95,369.11 ; 50.26,33.02 D120.A15 ; D120.A15 51.07,33.83 ; D120.A15 51.88,33.02 ; D120.A15 51.07,32.21 ; D232.A7 40.91,397.05 ; D232.A7 40.91,395.43 ; D232.A7 41.72,396.24 ; D232.A7 40.1,396.24 ; D114.B6 190.77,348.79 ; D114.B6 191.58,347.98 ; D114.B6 190.77,347.17 ; D114.B6 189.96,347.98 ; D118.A11 40.91,74.47 ; D118.A11 40.91,72.85 ; D118.A11 41.72,73.66 ; D118.A11 40.1,73.66 ; D102.B9 183.96,78.74 ; D102.B9 182.34,78.74 ; D102.B9 183.15,79.55 ; D102.B9 183.15,77.93 ; D232.B3 51.88,391.16 ; D232.B3 50.26,391.16 ; D232.B3 51.07,391.97 ; D232.B3 51.07,390.35 ; CSDPS426.B2 128.08,363.22 ; CSDPS426.B2 126.46,363.22 ; CSDPS426.B2 127.27,364.03 ; CSDPS426.B2 127.27,362.41 ; D231.A10 34.1,373.38 ; D231.A10 33.29,374.19 ; D231.A10 33.29,372.57 ; D231.A10 32.48,373.38 ; 180.61,347.17 D114.B10 ; D114.B10 179.8,347.98 ; D114.B10 180.61,348.79 ; D114.B10 181.42,347.98 ; UHC230.G3_3 44.38,356.1 ; UHC230.G3_3 45.19,355.29 ; UHC230.G3_3 44.38,354.48 ; UHC230.G3_3 43.57,355.29 ; D111.A9 257.62,375.92 ; D111.A9 256,375.92 ; D111.A9 256.81,375.11 ; D111.A9 256.81,376.73 ; 121.38,353.06 CSDPS226.B4 ; CSDPS226.B4 122.19,352.25 ; CSDPS226.B4 123,353.06 ; CSDPS226.B4 122.19,353.87 ; 56.15,380.19 D431.B1 ; D431.B1 56.96,381 ; D431.B1 55.34,381 ; D431.B1 56.15,381.81 ; CSDPS426.B4 122.19,364.03 ; CSDPS426.B4 123,363.22 ; CSDPS426.B4 122.19,362.41 ; CSDPS426.B4 121.38,363.22 ; D231.B4 49.34,368.3 ; D231.B4 47.72,368.3 ; D231.B4 48.53,369.11 ; D231.B4 48.53,367.49 ; 273.78,40.64 D108.B16 ; D108.B16 275.4,40.64 ; D108.B16 274.59,41.45 ; D108.B16 274.59,39.83 ; D112.A2 274.59,394.51 ; D112.A2 273.78,393.7 ; D112.A2 274.59,392.89 ; D112.A2 275.4,393.7 ; D107.B2 239.03,61.77 ; D107.B2 238.22,60.96 ; D107.B2 239.84,60.96 ; D107.B2 239.03,60.15 ; 175.53,392.89 D116.A12 ; D116.A12 175.53,394.51 ; D116.A12 174.72,393.7 ; D116.A12 176.34,393.7 ; D431.A3 51.07,386.89 ; D431.A3 51.07,385.27 ; D431.A3 50.26,386.08 ; D431.A3 51.88,386.08 ; 109.49,339.55 CSDPS425.C9 ; CSDPS425.C9 108.68,340.36 ; CSDPS425.C9 110.3,340.36 ; CSDPS425.C9 109.49,341.17 ; D115.B10 180.61,369.11 ; D115.B10 179.8,368.3 ; D115.B10 180.61,367.49 ; D115.B10 181.42,368.3 ; CSDPS226.B2 127.27,353.87 ; CSDPS226.B2 126.46,353.06 ; CSDPS226.B2 128.08,353.06 ; CSDPS226.B2 127.27,352.25 ; D124.B13 119.65,38.91 ; D124.B13 119.65,37.29 ; D124.B13 120.46,38.1 ; D124.B13 118.84,38.1 ; 264.43,75.39 D106.A12 ; D106.A12 263.62,76.2 ; D106.A12 264.43,77.01 ; D106.A12 265.24,76.2 ; D116.A4 196.66,393.7 ; D116.A4 195.85,394.51 ; D116.A4 195.04,393.7 ; D116.A4 195.85,392.89 ; D428.A4 123,403.86 ; D428.A4 122.19,404.67 ; D428.A4 122.19,403.05 ; D428.A4 121.38,403.86 ; D118.A3 20.59,74.47 ; D118.A3 21.4,73.66 ; D118.A3 20.59,72.85 ; D118.A3 19.78,73.66 ; D101.B13 194.12,99.06 ; D101.B13 193.31,99.87 ; D101.B13 192.5,99.06 ; D101.B13 193.31,98.25 ; D103.A7 178.88,53.34 ; D103.A7 178.07,54.15 ; D103.A7 178.07,52.53 ; D103.A7 177.26,53.34 ; 192.5,53.34 D103.A13 ; D103.A13 193.31,54.15 ; D103.A13 194.12,53.34 ; D103.A13 193.31,52.53 ; CSDPS425.C13 99.33,341.17 ; CSDPS425.C13 100.14,340.36 ; CSDPS425.C13 98.52,340.36 ; CSDPS425.C13 99.33,339.55 ; D119.A9 36.64,53.34 ; D119.A9 35.02,53.34 ; D119.A9 35.83,54.15 ; D119.A9 35.83,52.53 ; 25.67,390.35 D232.B13 ; D232.B13 26.48,391.16 ; D232.B13 24.86,391.16 ; D232.B13 25.67,391.97 ; D105.B6 249.19,102.41 ; D105.B6 250,101.6 ; D105.B6 248.38,101.6 ; D105.B6 249.19,100.79 ; D124.B10 112.03,41.45 ; D124.B10 111.22,40.64 ; D124.B10 112.84,40.64 ; D124.B10 112.03,39.83 ; 170.45,80.47 D102.B4 ; D102.B4 169.64,81.28 ; D102.B4 171.26,81.28 ; D102.B4 170.45,82.09 ; D102.A7 178.07,74.47 ; D102.A7 178.07,72.85 ; D102.A7 177.26,73.66 ; D102.A7 178.88,73.66 ; D232.B10 33.29,389.43 ; D232.B10 32.48,388.62 ; D232.B10 33.29,387.81 ; D232.B10 34.1,388.62 ; D428.A1 130.62,406.4 ; D428.A1 129.81,407.21 ; D428.A1 129,406.4 ; D428.A1 129.81,405.59 ; 240.76,375.92 D111.A15 ; D111.A15 241.57,375.11 ; D111.A15 241.57,376.73 ; D111.A15 242.38,375.92 ; 198.39,370.03 D115.B3 ; D115.B3 198.39,371.65 ; D115.B3 197.58,370.84 ; D115.B3 199.2,370.84 ; 15.51,390.35 D232.B17 ; D232.B17 14.7,391.16 ; D232.B17 15.51,391.97 ; D232.B17 16.32,391.16 ; 38.37,60.15 D119.B10 ; D119.B10 37.56,60.96 ; D119.B10 38.37,61.77 ; D119.B10 39.18,60.96 ; DPS3.B05 100.14,16.51 ; DPS3.B05 99.33,15.7 ; DPS3.B05 98.52,16.51 ; DPS3.B05 99.33,17.32 ; 101.87,331.93 CSDPS225.B12 ; CSDPS225.B12 102.68,332.74 ; CSDPS225.B12 101.87,333.55 ; CSDPS225.B12 101.06,332.74 ; 14.7,401.32 D432.B17 ; D432.B17 15.51,402.13 ; D432.B17 16.32,401.32 ; D432.B17 15.51,400.51 ; D428.B5 119.65,402.13 ; D428.B5 120.46,401.32 ; D428.B5 118.84,401.32 ; D428.B5 119.65,400.51 ; UHC230.G3_9 48.64,350.04 ; UHC230.G3_9 47.83,350.85 ; UHC230.G3_9 47.02,350.04 ; UHC230.G3_9 47.83,349.23 ; DPS2.A01 204.28,415.29 ; DPS2.A01 203.47,414.48 ; DPS2.A01 203.47,416.1 ; DPS2.A01 202.66,415.29 ; D114.A4 196.66,353.06 ; D114.A4 195.04,353.06 ; D114.A4 195.85,352.25 ; D114.A4 195.85,353.87 ; UHC430.G2_6 49.79,361.95 ; UHC430.G2_6 48.98,361.14 ; UHC430.G2_6 48.98,362.76 ; UHC430.G2_6 48.17,361.95 ; 238.22,373.38 D111.A16 ; D111.A16 239.84,373.38 ; D111.A16 239.03,372.57 ; D111.A16 239.03,374.19 ; 108.68,360.68 CSDPS426.C9 ; CSDPS426.C9 109.49,359.87 ; CSDPS426.C9 110.3,360.68 ; CSDPS426.C9 109.49,361.49 ; D110.B8 259.35,348.79 ; D110.B8 260.16,347.98 ; D110.B8 258.54,347.98 ; D110.B8 259.35,347.17 ; D114.A12 176.34,353.06 ; D114.A12 175.53,352.25 ; D114.A12 174.72,353.06 ; D114.A12 175.53,353.87 ; 43.45,342.09 CSDPS429.B6 ; CSDPS429.B6 43.45,343.71 ; CSDPS429.B6 42.64,342.9 ; CSDPS429.B6 44.26,342.9 ; D122.B3 94.25,79.55 ; D122.B3 93.44,78.74 ; D122.B3 94.25,77.93 ; D122.B3 95.06,78.74 ; D109.A1 277.94,335.28 ; D109.A1 277.13,336.09 ; D109.A1 276.32,335.28 ; D109.A1 277.13,334.47 ; D121.A5 100.14,93.98 ; D121.A5 98.52,93.98 ; D121.A5 99.33,93.17 ; D121.A5 99.33,94.79 ; 111.22,378.46 D427.B8 ; D427.B8 112.03,377.65 ; D427.B8 112.84,378.46 ; D427.B8 112.03,379.27 ; 33.29,60.15 D119.B8 ; D119.B8 34.1,60.96 ; D119.B8 32.48,60.96 ; D119.B8 33.29,61.77 ; 51.07,370.03 D231.B3 ; D231.B3 50.26,370.84 ; D231.B3 51.88,370.84 ; D231.B3 51.07,371.65 ; D108.A10 260.16,35.56 ; D108.A10 259.35,34.75 ; D108.A10 258.54,35.56 ; D108.A10 259.35,36.37 ; 113.76,330.2 CSDPS225.C7 ; CSDPS225.C7 114.57,329.39 ; CSDPS225.C7 115.38,330.2 ; CSDPS225.C7 114.57,331.01 ; D428.B11 105.22,401.32 ; D428.B11 104.41,400.51 ; D428.B11 104.41,402.13 ; D428.B11 103.6,401.32 ; D427.B16 92.52,378.46 ; D427.B16 90.9,378.46 ; D427.B16 91.71,379.27 ; D427.B16 91.71,377.65 ; 18.05,377.65 D431.B16 ; D431.B16 18.05,379.27 ; D431.B16 17.24,378.46 ; D431.B16 18.86,378.46 ; D232.A6 43.45,394.51 ; D232.A6 44.26,393.7 ; D232.A6 43.45,392.89 ; D232.A6 42.64,393.7 ; 101.87,95.71 D121.A6 ; D121.A6 101.06,96.52 ; D121.A6 101.87,97.33 ; D121.A6 102.68,96.52 ; 113.76,38.1 D124.B11 ; D124.B11 115.38,38.1 ; D124.B11 114.57,38.91 ; D124.B11 114.57,37.29 ; 256.81,77.93 D106.B9 ; D106.B9 257.62,78.74 ; D106.B9 256.81,79.55 ; D106.B9 256,78.74 ; D115.A16 166.18,373.38 ; D115.A16 165.37,372.57 ; D115.A16 165.37,374.19 ; D115.A16 164.56,373.38 ; D102.B2 165.37,82.09 ; D102.B2 166.18,81.28 ; D102.B2 164.56,81.28 ; D102.B2 165.37,80.47 ; 112.03,55.07 D123.A10 ; D123.A10 112.03,56.69 ; D123.A10 111.22,55.88 ; D123.A10 112.84,55.88 ; D228.A4 123,393.7 ; D228.A4 122.19,394.51 ; D228.A4 122.19,392.89 ; D228.A4 121.38,393.7 ; D232.A17 16.32,396.24 ; D232.A17 15.51,395.43 ; D232.A17 15.51,397.05 ; D232.A17 14.7,396.24 ; D115.A15 167.91,376.73 ; D115.A15 167.1,375.92 ; D115.A15 168.72,375.92 ; D115.A15 167.91,375.11 ; 126.46,368.3 D227.B2 ; D227.B2 127.27,369.11 ; D227.B2 127.27,367.49 ; D227.B2 128.08,368.3 ; 16.07,355.29 UHC230.G4_2 ; UHC230.G4_2 17.69,355.29 ; UHC230.G4_2 16.88,356.1 ; UHC230.G4_2 16.88,354.48 ; 101.87,382.73 D427.A12 ; D427.A12 102.68,383.54 ; D427.A12 101.06,383.54 ; D427.A12 101.87,384.35 ; D113.A9 183.96,335.28 ; D113.A9 182.34,335.28 ; D113.A9 183.15,334.47 ; D113.A9 183.15,336.09 ; D114.A16 165.37,353.87 ; D114.A16 166.18,353.06 ; D114.A16 164.56,353.06 ; D114.A16 165.37,352.25 ; 271.24,330.2 D109.B3 ; D109.B3 272.05,329.39 ; D109.B3 272.86,330.2 ; D109.B3 272.05,331.01 ; D428.A5 119.65,407.21 ; D428.A5 119.65,405.59 ; D428.A5 120.46,406.4 ; D428.A5 118.84,406.4 ; 123.92,78.74 D122.B15 ; D122.B15 124.73,79.55 ; D122.B15 125.54,78.74 ; D122.B15 124.73,77.93 ; D112.B8 260.16,388.62 ; D112.B8 258.54,388.62 ; D112.B8 259.35,387.81 ; D112.B8 259.35,389.43 ; D431.A10 34.1,383.54 ; D431.A10 32.48,383.54 ; D431.A10 33.29,384.35 ; D431.A10 33.29,382.73 ; 266.16,330.2 D109.B5 ; D109.B5 266.97,329.39 ; D109.B5 267.78,330.2 ; D109.B5 266.97,331.01 ; 240.76,33.02 D108.A3 ; D108.A3 241.57,33.83 ; D108.A3 242.38,33.02 ; D108.A3 241.57,32.21 ; D432.A17 15.51,407.21 ; D432.A17 16.32,406.4 ; D432.A17 15.51,405.59 ; D432.A17 14.7,406.4 ; 47.72,35.56 D120.A14 ; D120.A14 48.53,34.75 ; D120.A14 49.34,35.56 ; D120.A14 48.53,36.37 ; D113.B15 167.91,331.01 ; D113.B15 167.1,330.2 ; D113.B15 167.91,329.39 ; D113.B15 168.72,330.2 ; D120.B3 21.4,38.1 ; D120.B3 19.78,38.1 ; D120.B3 20.59,38.91 ; D120.B3 20.59,37.29 ; D227.A13 99.33,376.73 ; D227.A13 100.14,375.92 ; D227.A13 99.33,375.11 ; D227.A13 98.52,375.92 ; 106.14,393.7 D228.A10 ; D228.A10 106.95,392.89 ; D228.A10 106.95,394.51 ; D228.A10 107.76,393.7 ; 165.37,75.39 D102.A2 ; D102.A2 164.56,76.2 ; D102.A2 165.37,77.01 ; D102.A2 166.18,76.2 ; 25.67,405.59 D432.A13 ; D432.A13 25.67,407.21 ; D432.A13 24.86,406.4 ; D432.A13 26.48,406.4 ; 178.07,354.79 D114.A11 ; D114.A11 178.88,355.6 ; D114.A11 178.07,356.41 ; D114.A11 177.26,355.6 ; D107.A12 264.43,56.69 ; D107.A12 265.24,55.88 ; D107.A12 264.43,55.07 ; D107.A12 263.62,55.88 ; 89.17,18.24 DPS3.C01 ; DPS3.C01 89.17,19.86 ; DPS3.C01 89.98,19.05 ; DPS3.C01 88.36,19.05 ; 167.1,410.21 DPS2.C15 ; DPS2.C15 167.91,409.4 ; DPS2.C15 167.91,411.02 ; DPS2.C15 168.72,410.21 ; 179.8,40.64 D104.B8 ; D104.B8 181.42,40.64 ; D104.B8 180.61,39.83 ; D104.B8 180.61,41.45 ; 94.25,400.51 D428.B15 ; D428.B15 93.44,401.32 ; D428.B15 94.25,402.13 ; D428.B15 95.06,401.32 ; 170.45,352.25 D114.A14 ; D114.A14 171.26,353.06 ; D114.A14 170.45,353.87 ; D114.A14 169.64,353.06 ; 90.9,101.6 D121.B2 ; D121.B2 91.71,100.79 ; D121.B2 91.71,102.41 ; D121.B2 92.52,101.6 ; D108.A1 236.49,33.83 ; D108.A1 236.49,32.21 ; D108.A1 237.3,33.02 ; D108.A1 235.68,33.02 ; D227.B11 105.22,370.84 ; D227.B11 103.6,370.84 ; D227.B11 104.41,371.65 ; D227.B11 104.41,370.03 ; 258.54,60.96 D107.B10 ; D107.B10 259.35,61.77 ; D107.B10 260.16,60.96 ; D107.B10 259.35,60.15 ; 48.53,372.57 D231.A4 ; D231.A4 48.53,374.19 ; D231.A4 49.34,373.38 ; D231.A4 47.72,373.38 ; 14.7,386.08 D431.A17 ; D431.A17 15.51,385.27 ; D431.A17 15.51,386.89 ; D431.A17 16.32,386.08 ; 101.87,372.57 D227.A12 ; D227.A12 101.87,374.19 ; D227.A12 101.06,373.38 ; D227.A12 102.68,373.38 ; 193.31,375.11 D115.A5 ; D115.A5 194.12,375.92 ; D115.A5 192.5,375.92 ; D115.A5 193.31,376.73 ; D114.A15 168.72,355.6 ; D114.A15 167.1,355.6 ; D114.A15 167.91,354.79 ; D114.A15 167.91,356.41 ; 238.22,393.7 D112.A16 ; D112.A16 239.84,393.7 ; D112.A16 239.03,394.51 ; D112.A16 239.03,392.89 ; D431.B4 49.34,378.46 ; D431.B4 47.72,378.46 ; D431.B4 48.53,379.27 ; D431.B4 48.53,377.65 ; D116.A2 200.93,394.51 ; D116.A2 201.74,393.7 ; D116.A2 200.12,393.7 ; D116.A2 200.93,392.89 ; 25.67,52.53 D119.A5 ; D119.A5 24.86,53.34 ; D119.A5 26.48,53.34 ; D119.A5 25.67,54.15 ; D112.A13 247.46,396.24 ; D112.A13 246.65,395.43 ; D112.A13 245.84,396.24 ; D112.A13 246.65,397.05 ; D119.A2 18.05,56.69 ; D119.A2 18.86,55.88 ; D119.A2 18.05,55.07 ; D119.A2 17.24,55.88 ; CSDPS226.C11 104.41,351.33 ; CSDPS226.C11 104.41,349.71 ; CSDPS226.C11 105.22,350.52 ; CSDPS226.C11 103.6,350.52 ; D432.B16 18.05,399.59 ; D432.B16 17.24,398.78 ; D432.B16 18.05,397.97 ; D432.B16 18.86,398.78 ; 101.87,387.81 D228.B12 ; D228.B12 101.06,388.62 ; D228.B12 101.87,389.43 ; D228.B12 102.68,388.62 ; 113.76,58.42 D123.B11 ; D123.B11 114.57,59.23 ; D123.B11 115.38,58.42 ; D123.B11 114.57,57.61 ; 258.54,81.28 D106.B10 ; D106.B10 259.35,82.09 ; D106.B10 260.16,81.28 ; D106.B10 259.35,80.47 ; 14.58,357.64 UHC430.G1_13 ; UHC430.G1_13 15.39,358.45 ; UHC430.G1_13 13.77,358.45 ; UHC430.G1_13 14.58,359.26 ; 116.3,35.56 D124.A12 ; D124.A12 117.11,34.75 ; D124.A12 117.92,35.56 ; D124.A12 117.11,36.37 ; 16.07,365.45 UHC430.G1_2 ; UHC430.G1_2 17.69,365.45 ; UHC430.G1_2 16.88,366.26 ; UHC430.G1_2 16.88,364.64 ; 174.72,332.74 D113.A12 ; D113.A12 176.34,332.74 ; D113.A12 175.53,331.93 ; D113.A12 175.53,333.55 ; 89.17,390.35 D228.B17 ; D228.B17 89.98,391.16 ; D228.B17 89.17,391.97 ; D228.B17 88.36,391.16 ; 113.76,391.16 D228.B7 ; D228.B7 114.57,390.35 ; D228.B7 115.38,391.16 ; D228.B7 114.57,391.97 ; D109.A2 275.4,332.74 ; D109.A2 274.59,331.93 ; D109.A2 273.78,332.74 ; D109.A2 274.59,333.55 ; D118.A9 36.64,73.66 ; D118.A9 35.83,74.47 ; D118.A9 35.83,72.85 ; D118.A9 35.02,73.66 ; CSDPS429.C13 25.67,341.17 ; CSDPS429.C13 26.48,340.36 ; CSDPS429.C13 25.67,339.55 ; CSDPS429.C13 24.86,340.36 ; D122.A8 107.76,76.2 ; D122.A8 106.95,75.39 ; D122.A8 106.95,77.01 ; D122.A8 106.14,76.2 ; 240.76,330.2 D109.B15 ; D109.B15 241.57,329.39 ; D109.B15 242.38,330.2 ; D109.B15 241.57,331.01 ; D432.A5 46.8,406.4 ; D432.A5 45.99,407.21 ; D432.A5 45.99,405.59 ; D432.A5 45.18,406.4 ; 118.84,350.52 CSDPS226.C5 ; CSDPS226.C5 119.65,351.33 ; CSDPS226.C5 120.46,350.52 ; CSDPS226.C5 119.65,349.71 ; 167.91,414.48 DPS2.A15 ; DPS2.A15 167.1,415.29 ; DPS2.A15 168.72,415.29 ; DPS2.A15 167.91,416.1 ; 40.1,370.84 D231.B7 ; D231.B7 41.72,370.84 ; D231.B7 40.91,370.03 ; D231.B7 40.91,371.65 ; D122.B2 91.71,82.09 ; D122.B2 92.52,81.28 ; D122.B2 90.9,81.28 ; D122.B2 91.71,80.47 ; 175.53,367.49 D115.B12 ; D115.B12 174.72,368.3 ; D115.B12 175.53,369.11 ; D115.B12 176.34,368.3 ; D101.B15 198.39,99.87 ; D101.B15 199.2,99.06 ; D101.B15 197.58,99.06 ; D101.B15 198.39,98.25 ; D228.A17 89.17,397.05 ; D228.A17 89.17,395.43 ; D228.A17 89.98,396.24 ; D228.A17 88.36,396.24 ; 188.23,37.29 D104.B11 ; D104.B11 188.23,38.91 ; D104.B11 187.42,38.1 ; D104.B11 189.04,38.1 ; CSDPS225.B2 128.08,332.74 ; CSDPS225.B2 127.27,333.55 ; CSDPS225.B2 127.27,331.93 ; CSDPS225.B2 126.46,332.74 ; D120.B1 15.51,38.91 ; D120.B1 16.32,38.1 ; D120.B1 14.7,38.1 ; D120.B1 15.51,37.29 ; D428.B12 102.68,398.78 ; D428.B12 101.87,399.59 ; D428.B12 101.06,398.78 ; D428.B12 101.87,397.97 ; D120.B13 45.99,38.91 ; D120.B13 45.99,37.29 ; D120.B13 46.8,38.1 ; D120.B13 45.18,38.1 ; 33.29,39.83 D120.B8 ; D120.B8 33.29,41.45 ; D120.B8 32.48,40.64 ; D120.B8 34.1,40.64 ; D118.A13 45.99,74.47 ; D118.A13 45.18,73.66 ; D118.A13 46.8,73.66 ; D118.A13 45.99,72.85 ; 167.1,350.52 D114.B15 ; D114.B15 168.72,350.52 ; D114.B15 167.91,351.33 ; D114.B15 167.91,349.71 ; 96.79,342.09 CSDPS425.B14 ; CSDPS425.B14 97.6,342.9 ; CSDPS425.B14 96.79,343.71 ; CSDPS425.B14 95.98,342.9 ; D112.B2 274.59,389.43 ; D112.B2 275.4,388.62 ; D112.B2 273.78,388.62 ; D112.B2 274.59,387.81 ; D231.A14 23.94,373.38 ; D231.A14 23.13,372.57 ; D231.A14 22.32,373.38 ; D231.A14 23.13,374.19 ; 179.8,388.62 D116.B10 ; D116.B10 180.61,387.81 ; D116.B10 181.42,388.62 ; D116.B10 180.61,389.43 ; 32.48,55.88 D119.A8 ; D119.A8 33.29,55.07 ; D119.A8 33.29,56.69 ; D119.A8 34.1,55.88 ; D106.B6 249.19,82.09 ; D106.B6 249.19,80.47 ; D106.B6 248.38,81.28 ; D106.B6 250,81.28 ; 258.54,327.66 D109.B8 ; D109.B8 